# Altium PCB PCB1.PcbDoc (part 3 of 3)
Units mm, origin at the board's own origin, x right, y up, seen from the top; angles counter-clockwise.
Board outline 395.86 x 234.82 mm, 2 copper layers (Top Layer, Bottom Layer); 304 components, 236 nets, 1028 pads, 1089 vias.
Unrouted connection lines stored in the file: 1.
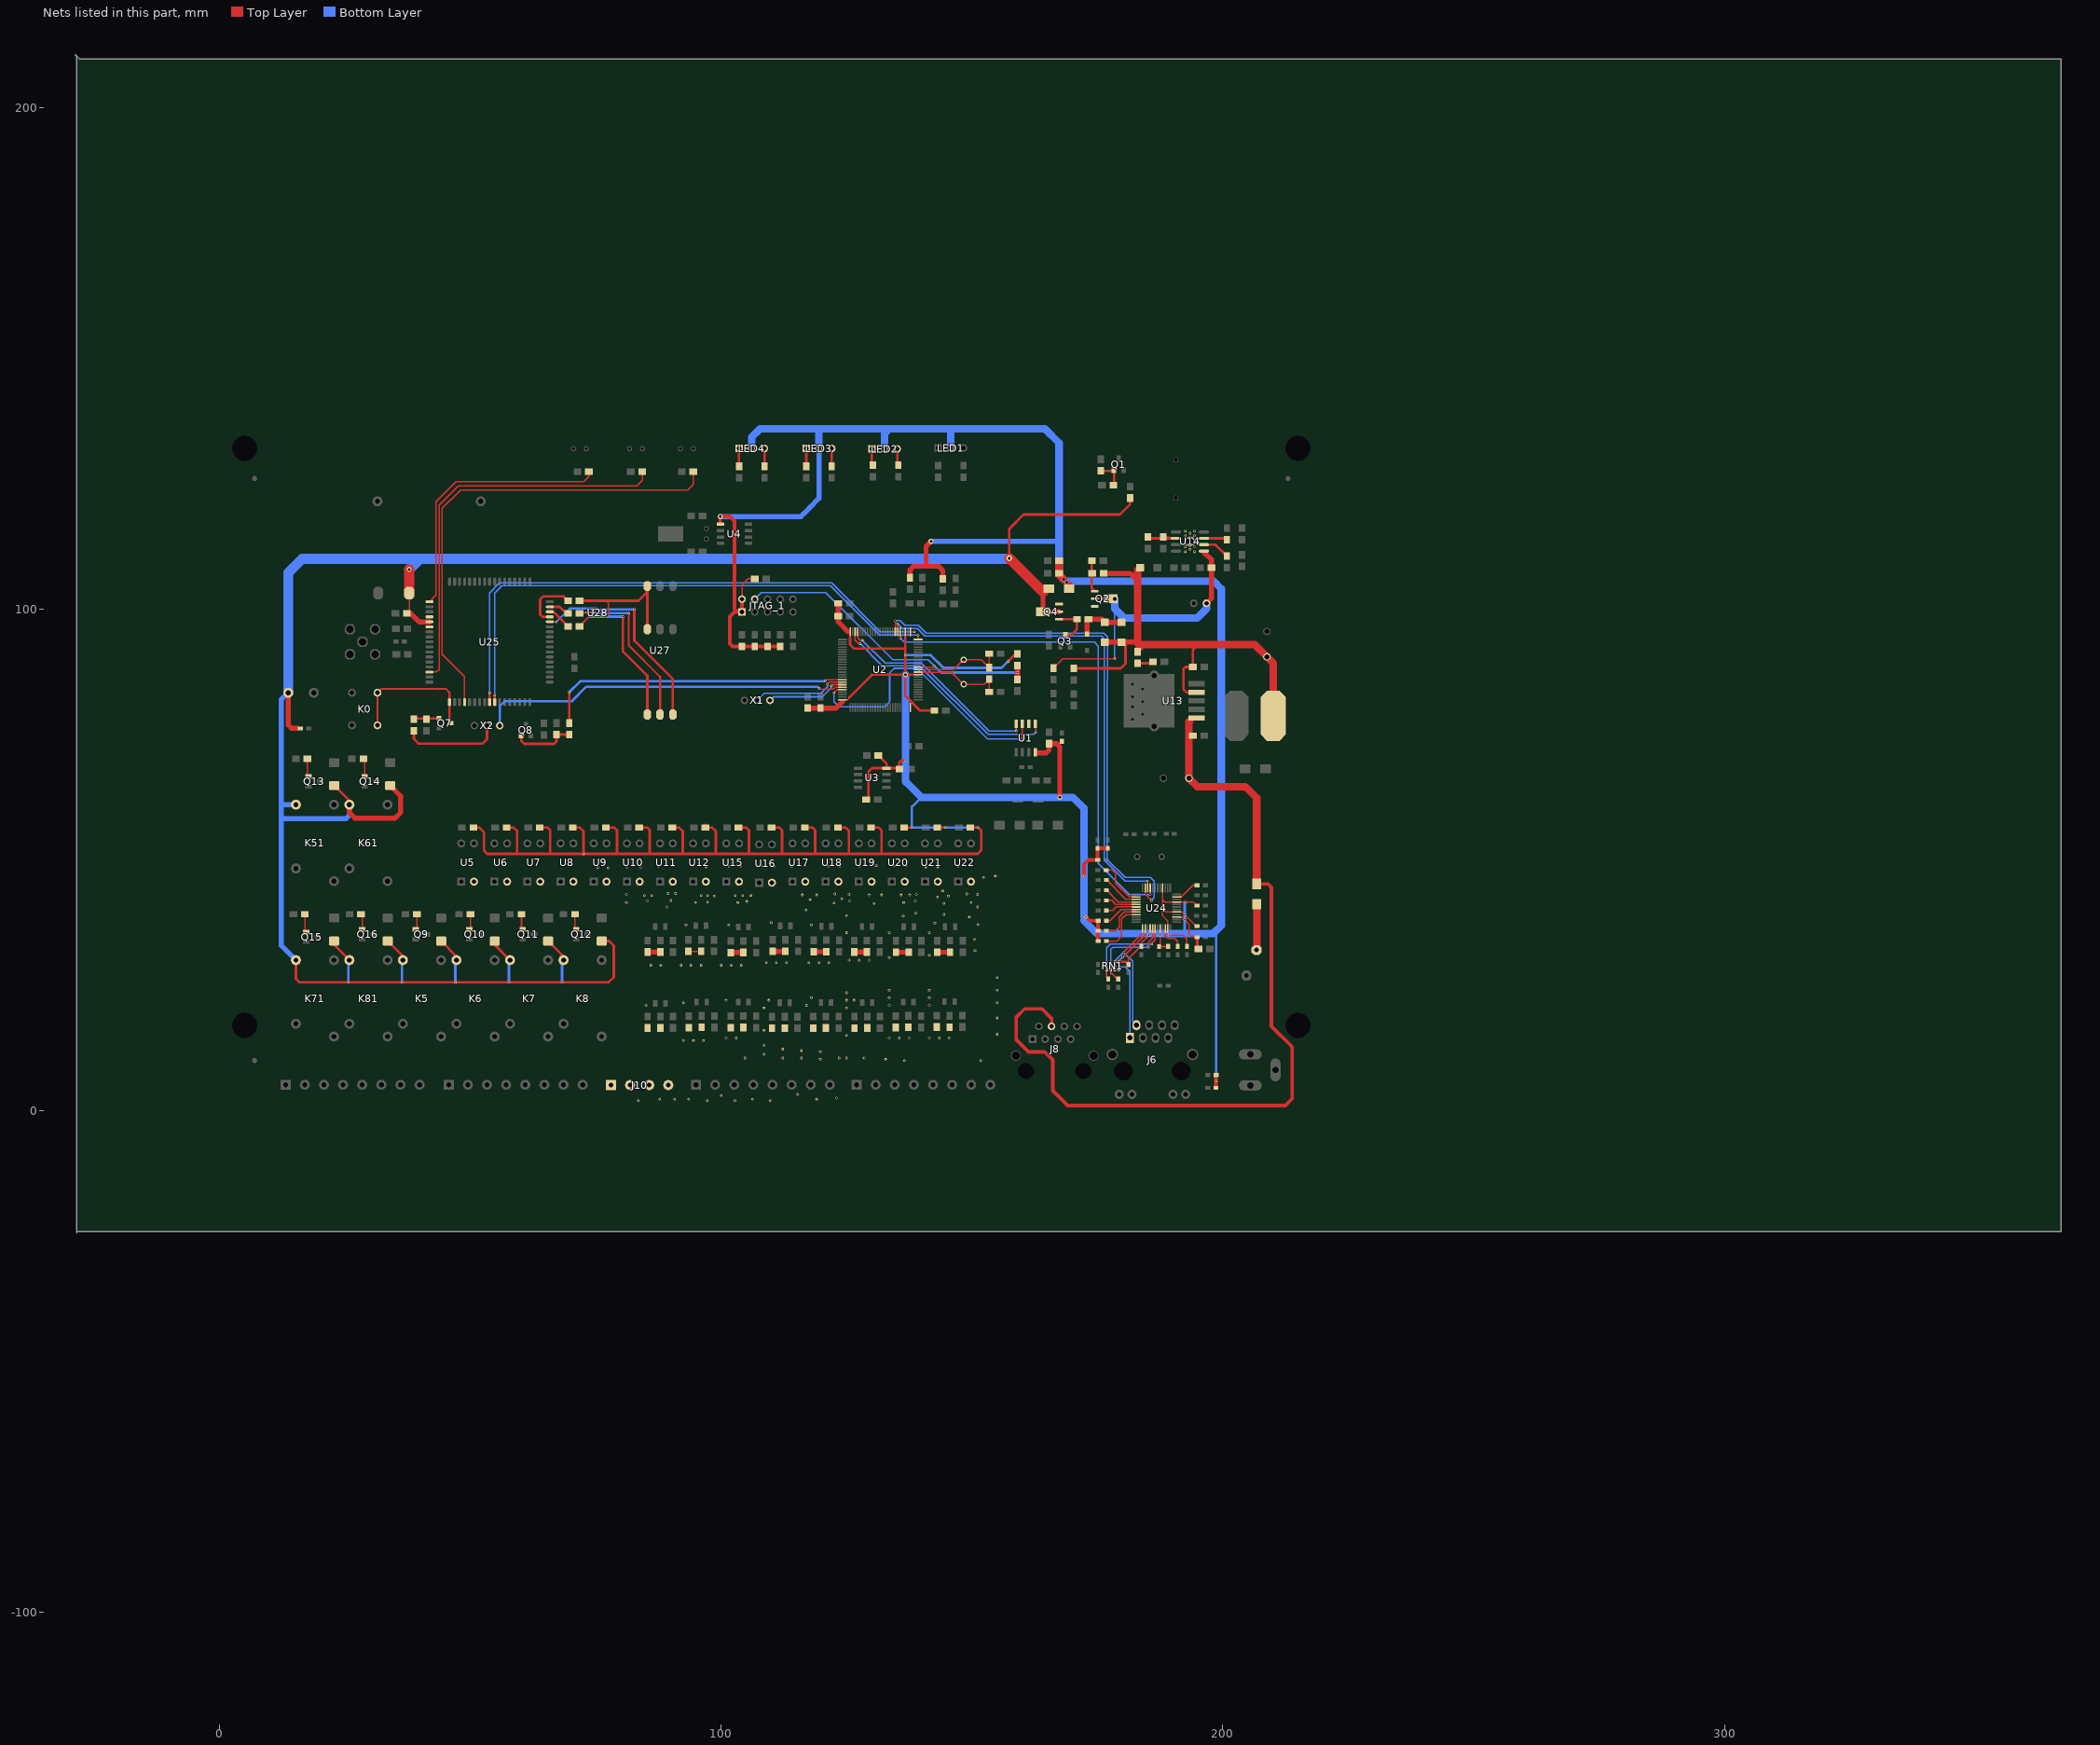
[diagram p3: the nets of this part, all layers, seen from the top]

## Via types
v1: diameter 0.5, hole 0.3, Top Layer to Bottom Layer, tented both sides, 1079 vias
v2: diameter 1, hole 0.5, Top Layer to Bottom Layer, tented both sides, 6 vias
v3: diameter 0.7, hole 0.5, Top Layer to Bottom Layer, tented both sides, 2 vias
v4: diameter 1.2, hole 0.5, Top Layer to Bottom Layer, tented both sides, 1 vias
v5: diameter 0.7, hole 0.3, Top Layer to Bottom Layer, tented both sides, 1 vias

## Nets (pads, with @x,y where several pads share a name; then routed paths per layer and width w, separated by ;. In a path a pad name is that pad's centre, name@x,y a point inside that pad or via, vN(x,y) a via of type N, cw(c..) or ccw(c..) an arc to the next point about the centre after c; other vN are vias at no path point) (continued)
NetLED2_1: LED2.1 R13.1 | length 3.3
  Top Layer w0.5: LED2.1@130.042,131.908 130.042,128.828 R13.1@130.23,128.64
NetLED2_3: LED2.3 R12.1 | length 3.3
  Top Layer w0.5: LED2.3@135.122,131.908 135.122,128.828 R12.1@135.31,128.64
NetLED3_1: LED3.1 R15.1 | length 3.6
  Top Layer w0.5: R15.1@116.966,128.424 LED3.1@116.966,131.98
NetLED3_3: LED3.3 R14.1 | length 3.6
  Top Layer w0.5: R14.1@122.046,128.424 LED3.3@122.046,131.98
NetLED4_1: LED4.1 R17.1 | length 3.6
  Top Layer w0.5: R17.1@103.566,128.444 LED4.1@103.566,132
NetLED4_3: LED4.3 R16.1 | length 3.6
  Top Layer w0.5: R16.1@108.646,128.444 LED4.3@108.646,132
NetLED5_1: LED5.1 R62.2 | length 3.2
  Top Layer w0.5: R62.2@183.026,89.186 185.82,89.186 LED5.1@186.074,89.44
NetQ1_1: Q1.1 R19.2 R21.2 | length 5.8
  Top Layer w0.5: R21.2@175.67,127.522 178.138,127.522 Q1.1@178.308,127.692 178.308,124.752 R19.2@178.2,124.644
NetQ2_1: Q2.1 R71.1 R82.2 | length 8.9
  Top Layer w0.254: R82.2@173.896,109.638 173.896,108.382 173.966,108.312 R71.1@173.966,107.098
  Top Layer w0.5: R82.2@173.896,109.638 173.896,108.382 173.896,107.098 173.896,104.12 Q2.1@174.474,103.542
NetQ3_3: Q3.3 Q4.1 R84.1 | length 8.4
  Top Layer w0.5: Q4.1@167.362,97.954 R84.1@170.918,97.954 170.918,95.968 169.724,94.774 Q3.3@168.593,94.774
NetQ7_2: Q7.2 R91.2 R92.2 | length 6.6
  Top Layer w0.254: R91.2@38.738,77.741 R91.2@38.738,78.01 ; 42.625,78.198 Q7.2@43.786,78.198
  Top Layer w0.5: R91.2@38.738,78.01 38.926,78.198 Q7.2@43.786,78.198
NetQ8_2: Q8.2 R87.2 R93.2 | length 12.3
  Top Layer w0.5: Q8.2@60.14,74.676 60.14,73.76 60.8,73.1 66.686,73.1 67.186,73.6 R93.2@67.186,74.962 R87.2@69.726,74.962
NetQ9_1: Q9.1 R99.2 | length 3.2
  Top Layer w0.254: Q9.1@39.116,36.1 39.37,36.354 R99.2@39.37,39.148
NetQ10_1: Q10.1 R101.2 | length 3.2
  Top Layer w0.3: Q10.1@49.784,36.1 50.038,36.354 R101.2@50.038,39.148
NetQ11_1: Q11.1 R102.2 | length 3.2
  Top Layer w0.3: R102.2@60.198,39.148 60.198,36.354 Q11.1@60.452,36.1
NetQ12_1: Q12.1 R104.2 | length 3.2
  Top Layer w0.3: R104.2@70.866,39.148 70.866,36.354 Q12.1@71.12,36.1
NetQ13_1: Q13.1 R001.2 | length 3.7
  Top Layer w0.254: R001.2@17.526,70.136 17.526,66.834 Q13.1@17.78,66.58
NetQ14_1: Q14.1 R002.2 | length 3.7
  Top Layer w0.254: R002.2@28.702,70.136 28.956,69.882 Q14.1@28.956,66.58
NetQ15_1: Q15.1 R003.2 | length 3.3
  Top Layer w0.254: Q15.1@17.018,35.846 R003.2@17.018,39.148
NetQ16_1: Q16.1 R004.2 | length 3.2
  Top Layer w0.254: R004.2@28.194,39.148 28.448,38.894 Q16.1@28.448,36.1
NetR41_1: R41.1 U14.7 | length 4.7
  Top Layer w0.5: U14.7@196.234,114.078 200.552,114.078 R41.1@200.806,113.824
NetR42_2: R42.2 U14.6 | length 5.5
  Top Layer w0.5: U14.6@196.234,112.808 198.52,112.808 R42.2@200.806,110.522
NetR52_1: R52.1 R53.1 U14.2 | length 8.3
  Top Layer w0.254: R53.1@188.106,114.332 189.249,114.332 189.503,114.078 U14.2@190.646,114.078
  Top Layer w0.5: R52.1@185.058,114.332 185.312,114.078 188.106,114.078 189.503,114.078 U14.2@190.646,114.078
NetR88_2: R88.2 U25.66 | length 79.2
  Top Layer w0.254: U25.66@41.858,87.432 43.299,87.432 43.809,87.941 43.809,120.676 47.65,124.517 83.166,124.517 84.288,125.639 R88.2@84.288,127.384
NetR91_1: R91.1 X2.2 | length 19.6
  Top Layer w0.5: R91.1@38.738,75.724 38.738,74.121 39.675,73.184 52.476,73.184 53.34,74.048 X2.2@53.34,76.74
NetR94_1: R94.1 U24.23 | length 5
  Top Layer w0.254: U24.23@190.824,42.598 191.748,42.598 194.07,44.92 R94.1@194.902,44.92
NetR96_2: R96.2 U25.4 | length 95.1
  Top Layer w0.254: U25.4@48.858,81.432 48.858,86.55 44.393,91.015 44.393,120.032 48.04,123.679 93.326,123.679 94.448,124.801 R96.2@94.448,127.384
NetR97_2: R97.2 U24.10 | length 5.4
  Top Layer w0.254: U24.10@188.524,36.298 188.524,34.869 189.078,34.315 190.449,34.315 191,33.765 R97.2@191,32.751
NetR100_2: R100.2 U24.45 | length 11.1
  Top Layer w0.254: R100.2@176.797,33.8 178.85,33.8 179.85,34.8 179.85,38.2 180.748,39.098 U24.45@182.724,39.098 181.748,39.098
NetR105_2: R105.2 U24.44 | length 8.7
  Top Layer w0.254: R105.2@176.797,35.832 178.582,35.832 179.35,36.6 179.35,38.5 179.35,38.598 180.35,39.598 U24.44@182.724,39.598
NetR106_2: R106.2 U24.43 | length 6.9
  Top Layer w0.254: R106.2@176.797,37.864 177.516,37.864 179.75,40.098 U24.43@182.724,40.098
NetR107_2: R107.2 U24.42 | length 6.2
  Top Layer w0.254: R107.2@176.797,39.896 178.046,39.896 178.748,40.598 U24.42@182.724,40.598
NetR108_2: R108.2 U24.41 | length 6.3
  Top Layer w0.254: R108.2@176.797,41.928 177.822,41.928 178.652,41.098 U24.41@182.724,41.098
NetR109_2: R109.2 U24.40 | length 6.9
  Top Layer w0.254: R109.2@176.797,43.96 179.159,41.598 U24.40@182.724,41.598
NetR110_2: R110.2 U24.39 | length 7.5
  Top Layer w0.254: R110.2@176.797,45.992 180.691,42.098 U24.39@182.724,42.098
NetR112_2: R112.2 U24.38 | length 9.4
  Top Layer w0.254: R112.2@176.741,47.968 177.982,47.968 178.65,47.3 178.65,45.3 181.352,42.598 U24.38@182.724,42.598
NetR115_2: R115.2 U25.52 | length 54
  Top Layer w0.254: U25.52@41.858,101.432 43.199,102.773 43.199,121.379 47.15,125.33 72.574,125.33 73.62,126.376 R115.2@73.62,127.384
NetR116_1: R116.1 U27.4 U28.6 | length 31.9
  Top Layer w0.254: v1(73.732,98.584) U28.6@74.501,98.584
  Top Layer w0.3: R116.1@71.758,96.552 73.732,98.526 v1(73.732,98.584)
  Top Layer w0.5: v1(80.4,98.476) 80.4,91.6 85.293,86.707 U27.4@85.293,78.969
  Bottom Layer w0.254: v1(73.732,98.584) v1@73.79,98.526
  Bottom Layer w0.4: v1@73.732,98.526 v1@73.79,98.526
  Bottom Layer w0.5: v1@73.79,98.526 73.84,98.476 v1(80.4,98.476)
NetR117_1: R117.1 U27.5 U28.5 | length 34
  Top Layer w0.3: R117.1@71.758,99.092 71.9,99.234 v1(73.216,99.234) 73.22,99.238 74.497,99.238 U28.5@74.501,99.234
  Top Layer w0.4: v1(81.6,99.18) 81.6,92.7 87.833,86.467 U27.5@87.833,78.969
  Bottom Layer w0.4: v1(73.216,99.234) 73.27,99.288 74.934,99.288 75.042,99.18 v1(81.6,99.18)
NetR118_1: R118.1 U27.1 U28.1 | length 28.1
  Top Layer w0.254: U28.1@76.33,98.584 77.159,98.584 77.55,98.975 77.55,101.124 ; 77.118,101.632 77.55,101.2
  Top Layer w0.5: R118.1@71.758,101.632 77.118,101.632 83.564,101.632 85.196,103.264 U27.1@85.196,104.471 ; U27.1@85.293,95.969 U27.1@85.293,104.569
OSC_IN: C1.1 R1.1 U2.12 Y1.1 | length 18.1
  Top Layer w0.254: U2.12@139.268,87.416 145.934,87.416 Y1.1@148.355,84.995 152.419,84.995 R1.1@153.435,86.011 C1.1@153.435,83.471
OSC_OUT: C2.1 R1.2 U2.13 Y1.2 | length 18.4
  Top Layer w0.254: U2.13@139.268,87.916 146.396,87.916 Y1.2@148.355,89.875 151.857,89.875 R1.2@153.435,88.297 C2.1@153.435,91.091
"PA2  USART2_TX": U2.25 U25.10 | length 111.4
  Top Layer w0.254: U2.25@139.268,93.916 v1(139.268,94.768)
  Top Layer w0.5: U25.10@54.858,81.432 v1(54.858,82.842)
  Bottom Layer w0.254: 54.858,83.1 54.858,103.131 56.382,104.655 121.745,104.655 131.632,94.768 v1(139.268,94.768)
"PA3  USART2_RX": U2.26 U25.9 | length 112.2
  Top Layer w0.3: U2.26@137.718,95.466 v1(138.566,95.466)
  Top Layer w0.5: U25.9@53.858,81.432 v1(53.858,83.342)
  Bottom Layer w0.254: v1(53.858,83.342) 53.858,103.207 55.839,105.188 122.012,105.188 122.83,104.37 131.734,95.466 v1(138.566,95.466)
"PA9  USART1_TX": U2.68 X1.2 | length 18.8
  Top Layer w0.3: v1(121.2,85) 121.616,85.416 U2.68@124.168,85.416
  Bottom Layer w0.3: X1.2@107.188,81.788 108.6,83.2 119.9,83.2 121.2,84.5 v1(121.2,85)
"PA10  USART1_RX": U2.69 X1.1 | length 16
  Top Layer w0.3: v1(122,84.7) 122.216,84.916 U2.69@124.168,84.916
  Bottom Layer w0.3: X1.1@109.728,81.788 110.44,82.5 120.2,82.5 122,84.3 v1(122,84.7)
PGND: C44.2 C45.2 C46.2 C47.2 C48.2 C49.2 C50.2 C51.2 C52.2 C53.2 C54.2 C55.2 C56.2 C57.2 C58.2 C59.2 J10.1 J10.2 J10.3 J10.4 R33.1 R34.1 R35.1 R36.1 R37.1 R38.1 R39.1 R40.1 R63.1 R64.1 R65.1 R66.1 R67.1 R68.1 R69.1 R70.1 U5.2 U6.2 U7.2 U8.2 U9.2 U10.2 U11.2 U12.2 U15.2 U16.2 U17.2 U18.2 U19.2 U20.2 U21.2 U22.2 | length 20.4
  Top Layer w0.254: R64.1@93.474,31.768 96.002,31.768 C53.2@96.014,31.78
  Top Layer w1: R63.1@85.326,31.62 87.838,31.62 C52.2@87.866,31.648 ; R65.1@101.903,31.52 104.415,31.52 C54.2@104.443,31.548 ; R66.1@110.257,31.749 112.769,31.749 C55.2@112.797,31.777 ; R67.1@118.45,31.668 120.962,31.668 C56.2@120.99,31.696 ; R68.1@126.534,31.62 129.03,31.62 C57.2@129.058,31.648 ; R69.1@134.846,31.576 137.358,31.576 C58.2@137.386,31.604 ; R70.1@143.102,31.576 145.614,31.576 C59.2@145.642,31.604
  other v1: 83.5,2 97.25,2 102.75,2 109.75,2 87.75,2.25 90.75,2.25 93.5,2.25 106.25,2.25 119,2.25 123,2.5 100,3 115.25,3.25 136.5,10 151.75,10 119.75,10.25 132.75,10.25 104.75,10.5 112.25,10.5 116,10.5 123.5,10.5 125,10.5 128.5,10.5 108.5,11.25 119.75,11.75 116,12 112.25,12.25 108.5,13 92.5,14 94.5,14 96.5,14 101,14.5 103,14.5 133.5,14.5 135.5,14.5 137.5,14.5 141.5,14.5 143.5,14.5 145.5,14.5 125,15 155,15.25 108.5,16 155,18.5 108.5,20.5 125,20.5 85,21 117,21 133.5,21 141.5,21 92.5,21.5 155,21.5 101,22 109.5,22 125,22 126.5,22 118,22.5 133.5,22.5 141.5,22.5 125,23.5 133.5,24 141.5,24 155,24 155,26.5 86,29 88,29 92,29 94,29 96,29 100,29 102,29 104,29 109,29.5 111,29.5 113,29.5 117.5,29.5 119.5,29.5 121.5,29.5 125.5,30 127.5,30 129.5,30 133.5,30.5 141.5,31 150.6,31.9 150.5,34.2 125,35.5 133.5,35.5 141.5,35.5 93,37 101.5,37 118,37 151.2,37.1 142.6,37.4 110,37.5 149.5,38.6 136.3,38.8 125,38.9 144.4,39.1 138.8,39.4 116.9,40 89.2,40.6 151.1,40.6 130.5,41.3 144.4,41.3 122.5,41.4 81.1,41.5 94.9,41.5 103.3,41.5 136.4,41.5 149.8,41.5 97.3,41.6 105.1,41.7 85.3,41.8 125.6,41.8 138.7,41.8 90,41.9 117.7,42.1 124.1,42.2 143.1,42.6 98.6,42.8 145.3,42.8 84.7,42.9 86.2,42.9 96,42.9 97.3,42.9 102.8,42.9 104.3,42.9 105.9,42.9 116.2,43 119,43 129.5,43 132,43 135.9,43 137.6,43 81.1,43.1 125.5,43.1 138.9,43.1 151.1,43.1 122.7,43.2 149,43.2 89.4,43.3 90.9,43.3 144.2,43.8 152.3,46.5 154.7,46.8 77.5,48.4 75.4,48.5 81.2,48.5 84,48.5 97,48.6 140.8,48.6 143.2,48.6 87.5,48.7 101.6,48.7 103.9,48.7 108.3,48.7 110.6,48.7 114.1,48.7 121.4,48.7 123.7,48.7 127.6,48.7 147.2,48.7 90.4,48.8 116.7,48.8 130.9,48.8 134.6,48.8 136.9,48.8 149.7,48.8 94.4,48.9
PWRKEY: K0.1 Q7.3 U25.1 | length 27.9
  Top Layer w0.4: K0.1@31.496,76.812 K0.1@31.496,83.312 ; K0.1@31.616,83.432 K0.1@31.496,83.312 ; Q7.3@46.136,77.248 45.858,77.526 U25.1@45.858,81.432 45.858,83.342 45.1,84.1 32.284,84.1 K0.1@31.496,83.312
RESET: C7.2 JTAG_1.4 R18.1 U2.14 | length 66.2
  Top Layer w0.254: C7.2@159.069,85.948 C7.2@159.071,85.948 ; R18.1@159.069,88.742 R18.1@159.071,88.742
  Top Layer w0.3: U2.14@139.268,88.416 142.251,88.416 v1(142.491,88.656)
  Top Layer w1: C7.2@159.069,85.948 159.071,85.95 R18.1@159.071,88.742
  Bottom Layer w0.3: JTAG_1.4@106.69,101.96 107.988,103.258 120.847,103.258 134.233,89.872 141.275,89.872 v1(142.491,88.656) v1@142.621,88.526
  Bottom Layer w0.5: v1@142.621,88.526 143.815,87.332 v1(159.074,87.332) 158.7,86.958
RS485_RE: U1.2 U1.3 U2.71 | length 57.7
  Top Layer w0.3: v1(122.5,83.3) 123.116,83.916 U2.71@124.168,83.916 ; v1(160,74.1) 160.06,74.16 U1.3@160.06,77.124
  Bottom Layer w0.3: v1(122.5,83.3) 122.5,81.5 123.498,80.502 132.602,80.502 133.6,81.5 133.6,87.3 134.461,88.161 139.039,88.161 153.1,74.1 155.5,74.1 ; 154.9,74.1 155.5,74.1 ; v1(160,74.1) 155.5,74.1
RS485_RX: U1.1 U2.48 | length 47.7
  Top Layer w0.254: U2.48@126.718,95.466 126.718,93.782 127.4,93.1 v1(127.7,93.1) ; U1.1@162.6,77.124 162.7,77.024 v1(162.7,75.4)
  Bottom Layer w0.254: v1(127.7,93.1) 132.108,88.692 139.508,88.692 153.2,75 155.3,75 ; 155,75 155.3,75 ; v1(162.7,75.4) 162.3,75 155.3,75
RS485_TX: U1.4 U2.47 | length 42.5
  Top Layer w0.254: U2.47@127.218,95.466 127.218,94.282 127.7,93.8 v1(128.1,93.8) ; v1@158.79,75.71 U1.4@158.79,77.124
  Bottom Layer w0.254: v1(128.1,93.8) 132.7,89.2 139.9,89.2 142.2,86.9 153.4,75.7 155.7,75.7 ; 155.2,75.7 155.7,75.7 ; v1@158.8,75.808 v1(158.8,75.7) 155.7,75.7
RXN: C002.2 RN1.6 U24.5 | length 21.3
  Top Layer w0.254: RN1.6@177.669,28.071 v1(177.669,28.673) ; RN1.6@177.676,28.064 177.676,27.575 C002.2@179.016,26.235 ; v1@185.213,32.6 185.213,33.563 186.024,34.374 U24.5@186.024,36.298
  Bottom Layer w0.254: v1(177.669,28.673) 177.669,32.169 178.1,32.6 v1(185.2,32.6) ; 177.695,27.199 177.695,30.272
RXP: C001.2 RN1.8 U24.6 | length 20.7
  Top Layer w0.254: C001.2@176.876,26.495 RN1.8@176.876,28.064 ; RN1.8@176.882,28.07 v1(176.882,28.673) ; v1(185.85,33.2) v1@185.85,33.4 ; 186.224,33.774 v1@185.85,33.4 ; U24.6@186.524,36.298 186.524,34.074 v1@185.85,33.4
  Bottom Layer w0.254: 176.882,27.173 176.882,30.552 176.882,32.482 177.6,33.2 v1(185.85,33.2) ; v1(176.882,28.673) v1@176.907,28.648
SIM900_RST: R87.1 U2.67 | length 61.6
  Top Layer w0.3: v1(120.72,85.706) 120.93,85.916 U2.67@124.168,85.916
  Top Layer w0.5: R87.1@69.726,77.248 v1(69.726,83.395)
  Bottom Layer w0.5: v1(69.726,83.395) 71.928,85.597 120.61,85.597 v1(120.72,85.706)
SIM_CLK: R116.2 U25.32 | length 4.8
  Top Layer w0.5: U25.32@65.858,99.432 66.592,99.432 R116.2@69.472,96.552
SIM_DATA: R118.2 U25.31 | length 11.3
  Top Layer w0.254: R118.2@69.472,101.632 R118.2@69.488,101.632
  Top Layer w0.5: U25.31@65.858,98.432 64.357,98.432 63.925,98.863 63.925,101.911 64.535,102.521 68.583,102.521 R118.2@69.472,101.632
SIM_PWRKEY: U2.70 X2.1 | length 74.2
  Top Layer w0.3: v1(119.5,84.2) 119.7,84 122.3,84 122.716,84.416 U2.70@124.168,84.416
  Bottom Layer w0.5: X2.1@55.88,76.74 55.88,80.626 56.845,81.591 70.191,81.591 73.1,84.5 119.2,84.5 v1(119.5,84.2)
SIM_RST: R117.2 U25.33 | length 4.2
  Top Layer w0.5: U25.33@65.858,100.432 67.818,100.432 69.158,99.092 R117.2@69.472,99.092
SIM_VDD: U25.30 U27.6 U28.4 | length 43
  Top Layer w0.254: U25.30@65.858,97.432 v1(67.118,97.432)
  Top Layer w0.4: U28.4@74.501,99.884 75.334,99.884
  Top Layer w0.5: v1(82.7,99.884) 82.7,93.7 90.373,86.027 U27.6@90.373,78.969
  Bottom Layer w0.4: v1(67.118,97.432) 69.794,100.108 75.11,100.108 75.334,99.884
  Bottom Layer w0.5: 75.334,99.884 v1(82.7,99.884)
SPI1_MISO: U2.31 U24.34 | length 99.8
  Top Layer w0.254: U2.31@135.218,95.466 v1@135.218,96.943 ; U24.34@185.024,44.398 v1(185.024,45.774)
  Bottom Layer w0.254: v1@135.218,96.943 135.233,96.943 v1@135.276,96.986 ; v1(135.218,97.043) v1@135.276,96.986 ; v1(185.024,45.774) 180.526,45.774 176.4,49.9 176.4,94 175.804,94.596 140.614,94.596 139.116,96.095 136.166,96.095 v1@135.276,96.986
SPI1_MOSI: U2.32 U24.35 | length 108.4
  Top Layer w0.254: U2.32@134.718,95.466 v1@134.718,97.644 ; U24.35@184.524,44.398 184.524,43.126 v1(185.75,41.9)
  Bottom Layer w0.254: v1(134.722,97.644) 135.661,97.644 136.576,96.73 139.344,96.73 140.919,95.155 176.245,95.155 177,94.4 177,85.792 176.969,85.761 176.969,50.049 180.518,46.5 185.6,46.5 186.35,45.75 186.35,42.5 v1(185.75,41.9)
SPI1_SCK: U2.30 U24.33 | length 98.9
  Top Layer w0.254: v1(135.718,94.19) U2.30@135.718,95.466 ; v1(185.524,43.1) U24.33@185.524,44.398
  Bottom Layer w0.254: v1(135.718,94.19) 136.515,93.393 174.407,93.393 175.2,92.6 175.2,49.325 181.425,43.1 v1(185.524,43.1)
SR: pad.0@192.55,115.5 pad.1@194.35,115.5 pad.2@194.35,114.6 pad.3@192.55,114.6 pad.4@192.55,112.4 pad.5@194.35,112.4 pad.6@194.35,111.4 pad.7@192.55,111.4 pad.8@193.45,111.9 pad.9@193.45,115.1 U14.9
TXN: J6.2 RN1.4 U24.1 | length 26.7
  Top Layer w0.254: RN1.4@178.476,28.064 v1(178.476,28.654) ; v1(180.225,31.575) 184.024,35.374 U24.1@184.024,36.1 ; U24.1@184.024,35.524 U24.1@184.024,36.1 ; U24.1@184.024,36.298 U24.1@184.024,36.1
  Bottom Layer w0.254: v1(178.476,28.654) 178.476,29.826 v1(180.225,31.575) 182.008,29.792 182.008,20.828 182.008,17.828 J6.2@182.796,17.04
TXP: J6.1 RN1.2 U24.2 | length 26.2
  Top Layer w0.254: RN1.2@179.276,28.064 v1(179.276,28.654) ; v1(180.056,30.606) 184.524,35.074 U24.2@184.524,36.298
  Bottom Layer w0.254: v1(180.056,30.606) 179.276,29.826 v1(179.276,28.654) 180.546,28.654 181.5,27.7 181.5,17.526 181.5,14.526 J6.1@181.526,14.5
V1: C31.1 C34.2 C37.1 C38.1 D23.1 D28.2 D29.2 D30.2 D31.2 D32.2 D33.2 D34.2 D35.2 K5.4 K6.4 K7.4 K8.4 K51.4 K61.4 K71.4 K81.4 Q4.2 Q4.4 R20.1 U25.55 U25.56 U25.57 | length 469.9
  Top Layer w0.254: C38.1@37.412,99.03 C38.1@37.35,99.092 37.822,99.44 C37.1@37.822,103.156 ; 166.516,99.454 Q4.2@167.362,99.454
  Top Layer w0.5: K71.4@15.24,30.004 15.24,26.26 15.9,25.6 v1(25.7,25.6) v1(36.4,25.6) v1(47,25.6) v1(57.7,25.6) v1(68.3,25.6) 77.6,25.6 78.6,26.6 78.6,32.9 77.686,33.814 D31.2@76.2,33.814 ; D33.2@22.86,33.814 22.86,33.052 K81.4@25.908,30.004 K81.4@25.908,30.766 ; D35.2@22.86,64.802 25.908,61.754 K61.4@25.908,60.992 ; D32.2@33.528,33.814 36.576,30.766 K5.4@36.576,30.004 K5.4@36.576,29.88 ; D28.2@44.196,33.814 47.244,30.766 K6.4@47.244,30.004 ; D29.2@54.864,33.814 54.864,33.052 K7.4@57.912,30.004 ; D30.2@65.532,33.814 68.58,30.766 K8.4@68.58,30.004 ; v4(157.45,110.1) 157.45,115.982 160.3,118.832 179.5,118.832 181.502,120.834 R20.1@181.502,122.104
  Top Layer w1: C31.1@13.716,83.312 13.716,76.884 14.4,76.2 15.494,76.2 ; K61.4@25.908,60.992 25.908,59.392 27,58.3 35,58.3 36.1,59.4 36.1,62.738 D34.2@34.036,64.802 ; 38.17,99.067 39.804,97.432 U25.56@41.858,97.432 ; D28.2@44.196,33.404 D28.2@44.196,33.814 ; D23.1@165.33,104.05 164.162,102.882 Q4.4@164.162,99.454 Q4.2@167.362,99.454
  Top Layer w2: C37.1@37.822,103.156 v2(37.822,107.872) ; v4(157.45,110.1) 164.162,103.388
  Bottom Layer w0.5: v1(25.7,25.6) 25.7,29.796 K81.4@25.908,30.004 K81.4@25.908,30.392 ; v1(36.4,25.6) 36.4,29.828 K5.4@36.576,30.004 ; v1(47,25.6) 47,29.76 K6.4@47.244,30.004 ; v1(57.7,25.6) 57.7,29.792 K7.4@57.912,30.004 ; v1(68.3,25.6) 68.3,29.724 K8.4@68.58,30.004
  Bottom Layer w1: 12.392,60.992 K51.4@15.24,60.992 ; C31.1@13.716,83.312 12.3,81.896 12.3,58.2 ; K71.4@15.24,30.004 12.3,32.944 12.3,58.2 ; K61.4@25.908,60.992 25.908,58.908 25.2,58.2 12.3,58.2
  Bottom Layer w2: C31.1@13.716,83.312 13.716,107.216 16.5,110 39.95,110 ; v2(37.822,107.872) 39.95,110 ; v4@157.35,110 39.95,110
VBAT: C16.1 J4.1 pad.0@178.45,102 Q2.2 Q2.4 R72.2 U14.5 | length 59.5
  Top Layer w0.254: R72.2@166.253,88.21 168.143,90.1 v1(178.45,90.1) ; Q2.2@174.474,102.042 175.837,102.042 ; 196.234,110.928 196.234,111.3 U14.5@196.234,111.538
  Top Layer w0.5: 175.837,102.042 Q2.4@176.4,102.042
  Top Layer w1: U14.5@196.234,111.3 197.758,109.776 C16.1@197.758,108.236 197.758,102.14 J4.1@196.742,101.124
  Bottom Layer w0.254: v1(178.45,90.1) 178.45,100.05
  Bottom Layer w1.5: pad.0@178.45,102 178.45,100.05 180.3,98.2 194.9,98.2 196.742,100.042 J4.1@196.742,101.124
VBT: D21.2 D22.2 D52.2 Q2.3 Q4.3 R84.2 | length 9.9
  Top Layer w1: D22.2@172.95,95.008 172.95,97.7 R84.2@173.204,97.954 175.884,97.954 D21.2@176.506,97.332 D52.2@179.8,97.332
VCC+3.3V: C01.1 C02.1 C03.1 C04.1 C004.1 C05.1 C06.1 C07.2 C9.1 C10.1 C27.1 C28.1 C69.2 C70.2 C71.2 C72.2 C73.2 C85.1 C86.1 D23.2 JTAG_1.1 JTAG_1.2 L2.1 L3.2 LED1.2 LED2.2 LED3.2 LED4.2 R0.2 R3.1 R4.1 R5.1 R18.2 R22.1 R23.2 R24.2 R43.2 R44.2 R45.2 R46.2 R47.2 R48.2 R49.2 R50.2 R74.2 R75.2 R76.2 R77.2 R78.2 R79.2 R80.2 R81.2 R90.1 R100.1 R105.1 R106.1 R114.1 R119.1 R121.1 R123.1 RN1.1 RN1.3 U1.8 U2.11 U2.28 U2.50 U2.75 U2.100 U3.8 U4.1 U24.4 U24.8 U24.11 U24.15 U24.17 U24.21 U24.28 | length 897.6
  Top Layer w0.254: R50.2@96.856,56.428 96.856,57.139 ; JTAG_1.2@104.15,101.96 104.15,104.782 105.392,106.024 R22.1@106.69,106.024 ; U2.75@124.168,81.916 125.204,81.916 ; 125.687,94.3 U2.50@125.687,95.435 ; U2.50@125.687,95.466 U2.50@125.687,95.435 ; U2.50@125.718,95.466 U2.50@125.687,95.435 ; C9.1@131.338,70.81 C9.1@131.338,71.33 ; 136.718,94.291 U2.28@136.718,95.466 ; 138.093,86.916 U2.11@139.268,86.916 ; C004.1@181.2,29.156 181.2,30.3 183.636,32.736 C04.1@183.74,32.736 183.74,33.39 v1(185.25,34.9) 185.524,35.174 U24.4@185.524,36.298
  Top Layer w0.3: 125.204,81.916 125.657,82.369 ; U24.8@187.524,36.298 v1(187.524,34.9) 187.524,32.925 R0.2@187.3,32.701 189.073,32.701 C01.1@189.1,32.728 ; U24.28@188.024,44.398 188.024,42.026 ; U24.15@190.824,38.598 191.852,38.598 v1(192.397,38.053) 193.25,37.2 193.25,35.1 193.59,34.76 C05.1@194.902,34.76 ; C02.1@192.846,32.904 C02.1@192.846,32.728 192.846,34.23 192.124,34.952 v1(189.298,34.952) 189.024,35.226 U24.11@189.024,36.298 189.024,37.826 188.024,38.826 188.024,40.126 ; C06.1@194.902,36.792 194.658,36.792 191.852,39.598 U24.17@190.824,39.598 188.552,39.598 188.024,40.126 ; C03.1@194.902,40.856 194.16,41.598 v1(192.5,41.598) U24.21@190.824,41.598 188.452,41.598 188.024,42.026 ; 188.024,40.126 188.024,42.026
  Top Layer w0.5: R43.2@50.628,56.428 51.822,56.428 52.75,55.5 52.75,51.8 53.35,51.2 v1(72.55,51.2) ; R44.2@57.232,56.428 58.622,56.428 59.35,55.7 59.35,51.3 ; R45.2@63.836,56.428 65.422,56.428 65.95,55.9 65.95,51.3 ; R46.2@70.44,56.428 71.822,56.428 72.55,55.7 v1(72.55,51.2) ; R47.2@77.044,56.428 78.722,56.428 79.25,55.9 79.25,51.2 ; R48.2@83.648,56.428 85.322,56.428 85.75,56 85.75,51.2 ; R49.2@90.252,56.428 91.622,56.428 92.35,55.7 92.35,51.3 ; R50.2@96.856,56.428 98.222,56.428 98.95,55.7 98.95,51.2 ; R74.2@103.46,56.428 105.022,56.428 105.55,55.9 105.55,51.2 ; R75.2@110.064,56.428 111.622,56.428 112.15,55.9 112.15,51.2 ; R76.2@116.668,56.428 118.222,56.428 118.75,55.9 118.75,51.2 ; R77.2@123.272,56.428 124.822,56.428 125.45,55.8 125.45,51.2 ; 125.595,82.431 130.064,86.9 ; 125.687,94.3 125.687,92.913 126.5,92.1 136.618,92.1 ; R24.2@128.924,62.008 129.35,62.434 129.35,67.5 130.1,68.25 ; R78.2@129.876,56.428 131.422,56.428 131.95,55.9 131.95,51.2 ; 130.12,68.27 U3.8@132.974,68.27 ; 130.188,86.9 v2@136.718,86.9 ; C9.1@131.338,70.81 132.974,69.174 U3.8@132.974,68.27 ; R79.2@136.48,56.428 v1(138.022,56.428) ; v1(136.7,69.8) 135.9,69.8 135.528,69.428 R23.2@135.528,68.104 135.362,68.27 U3.8@132.974,68.27 ; 136.718,94.291 v1(136.718,90.8) v2@136.718,86.9 ; v2(136.75,86.9) 138.077,86.9 ; C69.2@142.494,79.756 139.649,79.756 136.718,82.687 v2@136.718,86.9 ; R80.2@143.084,56.428 v1(144.722,56.428) ; R81.2@149.688,56.428 v1(151.222,56.428) 151.85,55.8 151.85,51.9 151.15,51.2 131.95,51.2 ; v1(157.223,89.571) 158.68,91.028 R18.2@159.071,91.028 ; 167.408,73.152 C86.1@167.916,73.66 ; RN1.3@178.476,29.664 RN1.1@179.276,29.664 180.692,29.664 C004.1@181.2,29.156 ; C05.1@194.9,34.544 194.9,32.476 C07.2@195.156,32.22 ; v1(72.55,51.2) 79.25,51.2 ; 79.25,51.2 85.75,51.2 ; 85.75,51.2 98.95,51.2 ; 98.95,51.2 105.55,51.2 ; 105.55,51.2 112.15,51.2 ; 112.15,51.2 118.75,51.2 ; 118.75,51.2 125.45,51.2 ; 125.45,51.2 131.95,51.2
  Top Layer w0.7: U4.1@99.848,116.877 v2(99.848,118.43) 101.752,118.43 102.65,117.532 102.65,100.02 103.25,99.42 ; JTAG_1.2@104.15,101.96 JTAG_1.1@104.15,99.42 103.25,99.42 ; R5.1@111.79,92.548 R4.1@109.25,92.548 R3.1@106.71,92.548 C10.1@104.17,92.548 102.302,92.548 101.75,93.1 101.75,98.5 102.67,99.42 103.25,99.42 ; v1(172.35,46.8) 172.35,49.1 173.25,50 R114.1@175.09,50 175.04,50.05 R121.1@175.04,52.304 R119.1@177.072,52.304 ; v5@172.725,38.625 173.486,37.864 R106.1@175.146,37.864 R105.1@175.146,35.832 R100.1@175.146,33.8 ; R90.1@198.646,4.572 v1(198.646,5.9) R123.1@198.646,7.112
  Top Layer w1: C73.2@117.265,80.245 C70.2@119.805,80.245 122.901,80.245 124.168,81.512 ; C72.2@123.336,101.124 C71.2@123.336,98.584 123.336,97.414 125.35,95.4 ; L2.1@137.646,106.228 137.646,107.796 138.35,108.5 140.85,108.5 ; v2(141.85,113.5) 140.85,112.5 140.85,108.5 ; L3.2@144.194,105.99 144.194,107.656 143.35,108.5 140.85,108.5 ; 163,71.3 164.8,71.3 165.376,71.876 C85.1@165.376,73.152 166.9,73.152 167.154,72.898 ; v2(167.5,62.5) 167.5,72.552
  Top Layer w1.5: C27.1@167.362,106.8 v3@168.26,105.902 ; C27.1@167.362,107.098 C28.1@167.362,109.638 ; D23.2@169.38,104.05 D23.2@169.38,104.782
  Bottom Layer w0.5: v1(136.718,90.8) 141.769,90.8 144.323,88.246 155.898,88.246 v1(157.223,89.571) ; 139.925,62.465 138.022,60.562 v1(138.022,56.428) v1(144.722,56.428) v1(151.222,56.428) ; 192.397,35.397 v1(192.397,38.053) v1@192.397,41.495 ; 198.1,35.3 198.646,34.754 v1(198.646,5.9)
  Bottom Layer w1: v2(99.848,118.43) 115.9,118.43 117.701,120.231 ; 116.4,118.93 117.701,120.231 ; LED3.2@119.506,131.98 119.506,122.036 117.701,120.231 ; LED3.2@119.606,131.98 LED3.2@119.606,132 ; v2(141.85,113.5) 167.262,113.5
  Bottom Layer w1.5: LED4.2@106.106,132 106.106,134.288 107.75,135.932 133.55,135.932 ; LED3.2@119.506,131.98 119.506,135.188 ; LED2.2@132.582,131.908 132.582,134.964 133.55,135.932 ; 136.75,65.539 v2(136.75,86.9) ; 136.852,65.539 139.925,62.465 170.1,62.465 172.3,60.265 172.3,38.6 ; LED1.2@145.79,132.1 145.79,135.672 ; v3(168.279,105.921) 167.362,106.838 167.362,133.07 164.5,135.932 133.55,135.932 ; v3@168.9,105.5 198.2,105.5 199.7,104 199.7,36.9 198.1,35.3 187.524,35.3 175.146,35.3 ; 172.335,37.865 174.9,35.3
  other v1: 192.437,39.013
  other v3: 168.9,105.3
  other v5: 172.7,38.6
VCC+5V: C17.1 C18.2 D21.1 D52.1 L5.2 R7.2 R51.1 R62.1 R71.2 U13.4 | length 96.3
  Top Layer w0.5: R7.2@170.313,88.15 179.65,88.15 180.6,89.1 180.6,93.382 ; U13.4@194.778,83.388 192.762,83.388 192.15,84 192.15,88.021 192.577,88.448 C18.2@194.016,88.448 194.016,91.766 195.15,92.9
  Top Layer w1: R71.2@176.252,107.098 181.528,107.098 183.026,105.6 ; D21.1@176.506,93.382 180.6,93.382 182.808,93.382
  Top Layer w1.5: 183.026,93.174 183.026,105.6 183.026,107.728 R51.1@183.534,108.236 ; R62.1@183.3,92.2 183.95,92.85 ; 184.454,92.9 195.15,92.9 206.344,92.9 C17.1@208.788,90.456 210.058,89.186 L5.2@210.058,78.7
VCC+12V: D9.1 F4.2 | length 9.2
  Top Layer w1.5: D9.1@206.756,41.148 206.78,41.124 F4.2@206.78,31.91
VD12V: C13.1 C14.2 D9.2 J8.4 U13.1 | length 170
  Top Layer w0.7: J8.4@165.862,16.796 165.862,18.39 163.952,20.3 160.5,20.3 158.8,18.6 158.8,14.2 161.3,11.7 164.5,11.7 166.1,10.1 166.1,4 169.059,1.041 212.446,1.041 213.8,2.396 213.8,12.7 209.7,16.8 209.7,44.5 209.002,45.198 D9.2@206.756,45.198
  Top Layer w1.5: 193.4,77.7 193.242,77.542 193.242,67.596 C13.1@193.242,66.258 194.9,64.6 204.5,64.6 206.756,62.344 D9.2@206.756,45.198
pads on no net: J6. J6.7 J6.8 J8. J8.1 J8.2 J8.3 J8.6 JTAG_1.8 U2.1 U2.2 U2.3 U2.4 U2.5 U2.6 U2.7 U2.8 U2.9 U2.15 U2.18 U2.33 U2.34 U2.35 U2.36 U2.55 U2.56 U2.60 U2.61 U2.62 U2.73 U24.7 U24.12 U24.13 U24.18 U24.24 U24.26 U24.46 U24.47 U25.2 U25.3 U25.5 U25.6 U25.7 U25.8 U25.11 U25.12 U25.13 U25.14 U25.15 U25.17 U25.19 U25.20 U25.21 U25.22 U25.23 U25.24 U25.25 U25.27 U25.28 U25.34 U25.35 U25.36 U25.37 U25.38 U25.40 U25.41 U25.42 U25.43 U25.44 U25.47 U25.48 U25.49 U25.50 U25.51 U25.67 U25.68 U27.2 U28.3 X2.3
copper on no net: | length 0.3
  Top Layer w0.254: 139.268,81.916 139.592,81.916

## Polygon pours and split planes (outlines as drawn)
SR on Bottom Layer "Top Layer-No Net" (solid, pour order 6): 189.85,121 189.35,120.091 189.35,111.909 189.85,111 196.85,111 197.35,111.909 197.35,120.091 196.85,121
PGND on Bottom Layer "Bottom Layer-No Net" (solid, remove dead copper, pour order 7): 48,50 47,49 47,45 48,44 50,44 78,44 80,42 80,38 80,15 76,11 76,2 77,1 85,1 155,1 156,2 156,6 156,48 154,50
GND on Bottom Layer "Bottom Layer-No Net" (solid, remove dead copper, pour order 8): 4,1 1,4 1,44 1,132 6,137 8,137 214,137 219,132 219,129 219,4 216,1 213,1
PGND on Top Layer "Bottom Layer-No Net" (solid, remove dead copper, pour order 9): 48,50 47,49 47,47 47,45 48,44 51,44 78,44 80,42 80,35 80,15 78,13 76,11 76,7 76,2 77,1 80,1 155,1 156,2 156,5 156,48 155,49 154,50 148,50
GND on Top Layer "Bottom Layer-No Net" (solid, remove dead copper, pour order 10): 4,1 1,4 1,7 1,25 1,132 6,137 8,137 214,137 219,132 219,130 219,4 216,1 214,1
no net on Top Overlay "Top Layer-No Net" (solid): 44.909,83 43,85 43,88 43,103 43.955,104 47.773,104 63.045,104 64,103 64,100 64,84 63.045,83

## Other copper
Top Layer:
  region net PGND: 80.25,6.25 83.5,9.5 80.25,12.75 77,9.5
  rectangle net PGND: 77,1 83,9.5
  region net VD12V: 194.6,76.7 195.741,77.841 194.936,78.646 193.795,77.505
  rectangle net VD12V: 193.5,74.2 194.7,78.6
  rectangle net PGND: 93.7,31.075 96.325,32.175
  region net GND: 188.75,79.2 191.05,81.5 189.65,82.9 187.35,80.6
  region net GND: 190.4,81.15 191.15,81.9 189.5,83.55 188.75,82.8
  rectangle net SR: 192.15,110.9 194.85,116
  rectangle net NetC15_1: 189.65,107.5 190.85,111.7
  rectangle net NetC15_1: 186.25,107.5 190.85,109
  rectangle net V1: 37.412,99.03 38.85,103.9
  rectangle net VBT: 173.75,97.954 175.25,100.8
  rectangle net V1: 41.269,96.146 42.462,98.66
  rectangle net VCC+3.3V: 123.336,81.287 124.606,82.023
  region net VCC+5V: 184.25,92.3 185.05,93.1 183.55,94.6 182.75,93.8
  region net VCC+5V: 182.4,91.8 183.2,92.6 182,93.8 181.2,93
  region net VCC+5V: 182.15,93 183.2,94.05 182.45,94.8 181.4,93.75
  region net NetD12_2: 201.1,77.45 201.85,78.2 200.1,79.95 199.35,79.2
  region net NetD12_2: 199.65,79.3 201.25,80.9 200.35,81.8 198.75,80.2
  region net VCC+5V: 193.95,91.2 195.35,92.6 194.35,93.6 192.95,92.2
  rectangle net VBT: 166.6,100.75 172.6,101.75
  region net VBT: 174.1,99 174.725,99.625 172.6,101.75 171.975,101.125
  region net VBT: 173.625,100.025 174.1,100.5 172.85,101.75 172.375,101.275
  rectangle net VBT: 171.85,101.25 172.85,101.75
  rectangle net VCC+3.3V: 137.718,80.6 138.45,81.2
  rectangle net GND: 187.194,41.7 187.524,43.015
  rectangle net GND: 187.194,37.8 187.65,41.7
  rectangle net GND: 186.802,37.905 187.524,42.82
  rectangle net VBAT: 176.35,99 180.6,105.25
  rectangle net V1: 162.75,98.5 165.5,103.75
  rectangle net RS485_RE: 159.75,76.5 161.5,77.75
  pour cut-out: 10.2,1 10,1.2 10,24.4 11.9,26.3 79.402,26.3 79.539,2.081 79.513,1.428 79.502,1
  pour cut-out: 80.117,24.479 80.096,24.5 79.2,24.5 79.2,33 78.8,33.4 79.5,34.1 79.9,34.1
  pour cut-out: 13.1,53.1 13.1,43.313 13.156,43.256 13.2,43.3 35.9,43.3 35.9,53.1
Bottom Layer:
  region net PGND: 79.25,7.25 83,11 80.75,13.25 77,9.5
  rectangle net PGND: 77,1 81,9.5
  pour cut-out: 18.8,49.6 14.8,45.6 14.8,1.6 14.9,-2.6 84.7,-2.6 84.7,19.6 39.8,19.6 39.8,48.6 38.8,49.6
  pour cut-out: 13.309,53 34.9,53 35.5,52.4 35.5,43.647 35.053,43.2 13.7,43.2 13.2,43.7

## Silkscreen, mask and mechanical layers (free items; w line width, h text height)
Top Overlay:
  drawing of 333 lines, arcs and shapes, not listed
  text "RI" at 92.027,121.744 h2
  text "STATUS1" at 102,121.732 h1.5
  text "STATUS2" at 115.1,121.732 h1.5
  text "STATUS" at 78.8,121.632 h2
  text "STATUS3" at 128.2,121.632 h1.5
  text "STATUS4" at 141.5,121.632 h1.5
  text "NET" at 69.85,121.532 h2
  text "+" at 192,121 h2
  text "V2" at 143.365,112.394 h1 r270
  text "V1" at 159.633,109.557 h1 r315
  text "+" at 200.5,100.7 h1
  text "Li-Po" at 202.9,100.7 h2
  text "V0" at 196.25,93.8 h1 r270
  text "POWER" at 25.6,85.1 h1.5
  text "GND" at 103,83.9 h1
  text "TX" at 106.5,83.9 h1
  text "RX" at 108.9,83.9 h1
  text "Source Security V2.3" at 38,66 h3.3
  text "20141201" at 58.1,62 h2
  text "报警输出" at 160,43.4 h2
  text "K1-K8" at 152.7,43.2 h1
  text "1-18" at 153.3,40.7 h1
  text "报警信号输入" at 158.7,40.6 h2
  text "PGND" at 152.9,37.9 h1
  text "报警信号输入地" at 157.9,37.8 h2
  text "9" at 82.2,35.8 h1.5
  text "J8" at 154,35.4 h1
  text "485通讯接口" at 158.6,35.4 h2
  text "网络通讯接口" at 158.6,33.1 h2
  text "J6" at 154,33 h1
  text "J1" at 154.1,30.5 h1
  text "电源输入端口" at 158.5,30.5 h2
  text "J4" at 154,28 h1
  text "锂电池接口" at 159.2,27.9 h2
  text "1" at 82.6,20.6 h1.5
  text "12VDC_IN" at 199.1,19.5 h2
  text "13" at 140.9,8.8 h2
  text "14" at 144.6,8.8 h2
  text "1" at 94.2,8.7 h2
  text "4" at 105.6,8.7 h2
  text "9" at 126.1,8.7 h2
  text "10" at 129.4,8.7 h2
  text "11" at 133.5,8.7 h2
  text "12" at 137,8.7 h2
  text "15" at 148.5,8.7 h2
  text "16" at 152.5,8.7 h2
  text "2" at 98.1,8.6 h2
  text "3" at 101.9,8.6 h2
  text "6" at 113.3,8.6 h2
  text "7" at 117.4,8.6 h2
  text "8" at 121.1,8.6 h2
  text "K5" at 45.6,8.5 h2
  text "K6" at 53.34,8.5 h2
  text "K7" at 60.96,8.5 h2
  text "K8" at 68.9,8.5 h2
  text "PGND" at 80.1,8.5 h2
  text "5" at 109.6,8.5 h2
  text "K1" at 13.6,8.4 h2
  text "K2" at 21.1,8.4 h2
  text "K3" at 28.7,8.4 h2
  text "K4" at 36.2,8.4 h2
Bottom Overlay:
  lines w1: 14.7,7.8 19,12.1 19,43.4 19,45.6 ; 22.25,7.75 29.7,15.2 29.7,43.4 29.7,45.9
  lines w2: 17.2,30 20.9,30 ; 27.9,30 31.6,30
Mechanical 1:
  lines w0.254: 0,4 0,3 ; 0,3 0,135 3,138 217,138 220,135 220,3 217,0 215,0 5,0 3,0 0,3

## Text inside footprints (layer, text, board x,y; h text height)
JTAG_1: Top Overlay "1" at 102.245,98.912 h1